# Allegro board BeagleBone-AI.brd (continued)
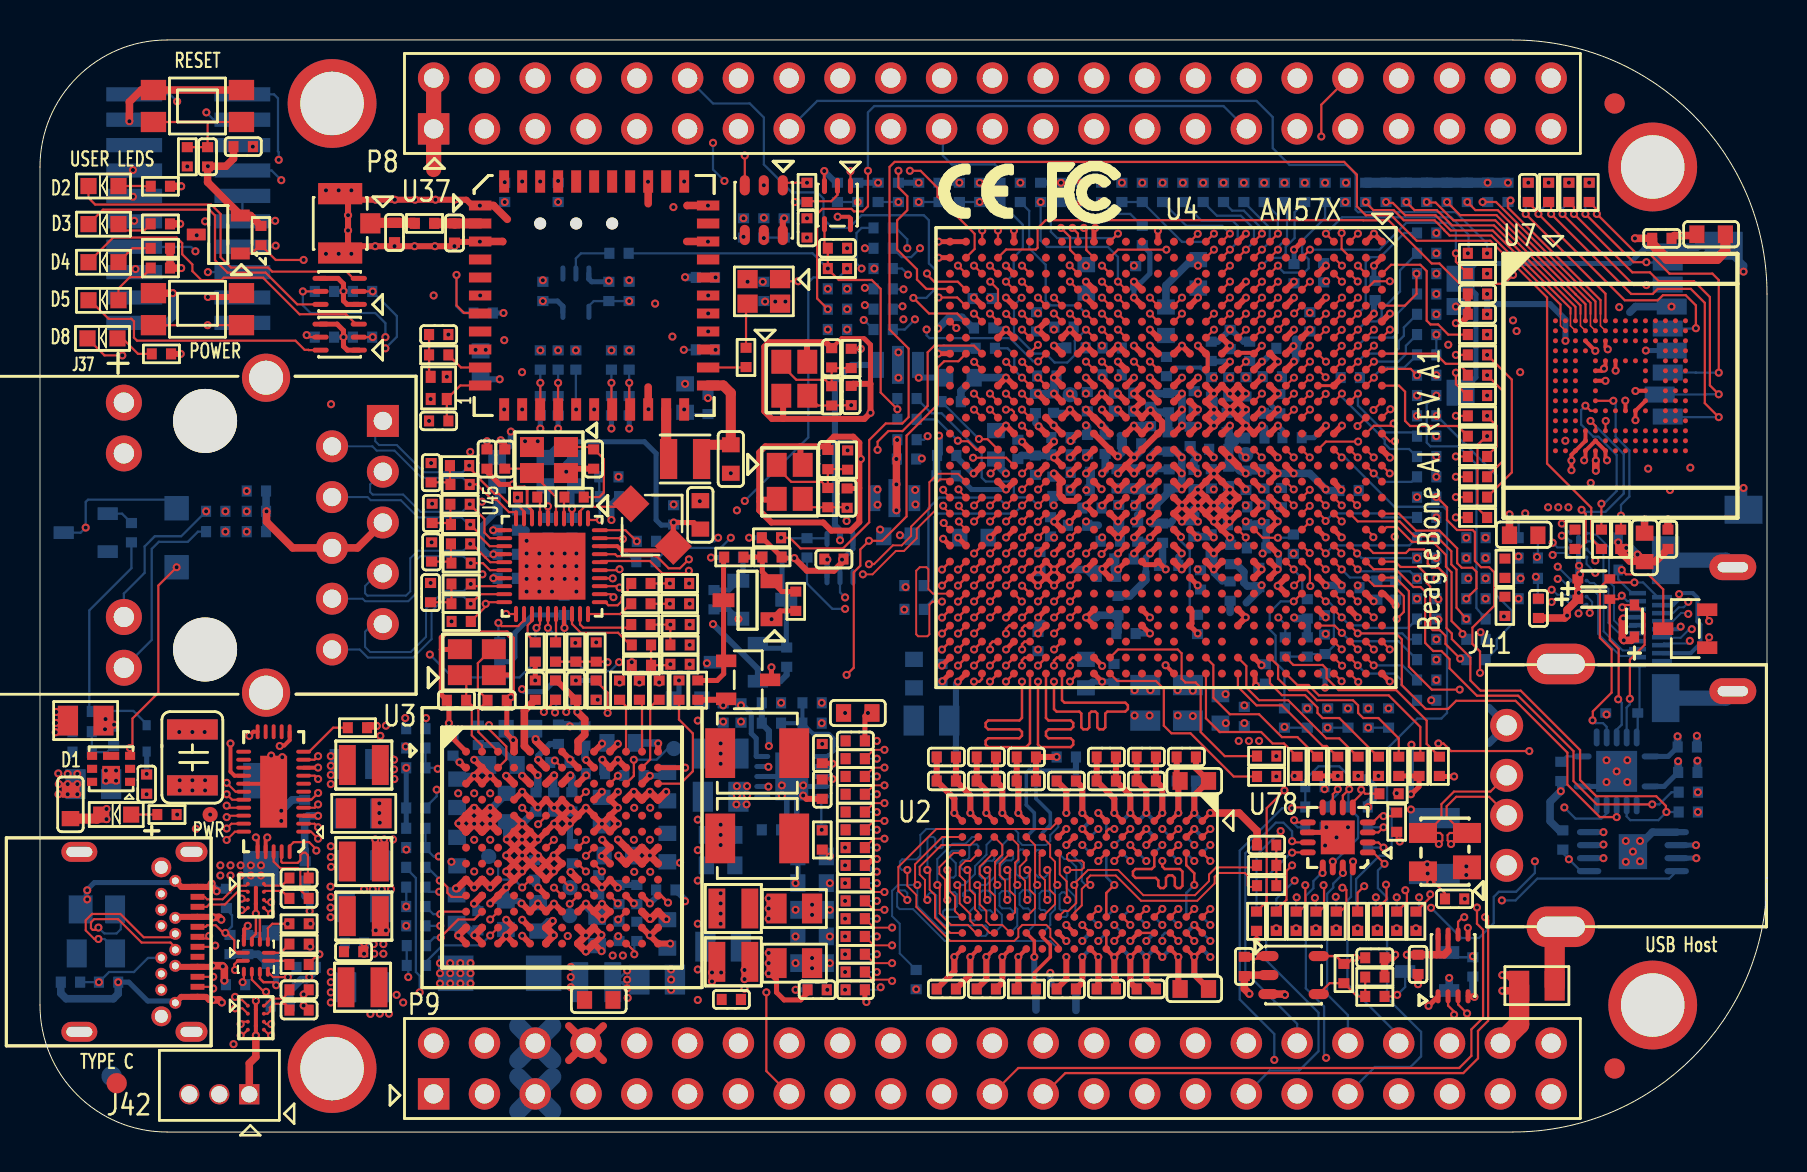
[diagram p0: board, top side]
## Routing (per net, layer and track width the routed paths; a pad name or vN(x,y) marks a point on that pad's centre or on a via; arc(x,y) is an arc through that point) (continued)
  BOTTOM w0.1: v1(50.37,11.6) 50.37,11.6 50.51,11.74 50.51,11.97 50.42,12.06 50.11,12.06 49.98,11.93 49.98,11.17 50.06,11.1 50.24,11.1 50.29,11.04 50.29,10.84 50.21,10.75 U11.L3 ; R143.1 v1(41.85,8)
DDR_VREF_IN: length 5.3
  BOTTOM w0.203: R2.1 R1.1 ; R1.1 38.66,19.91 39.45,19.91 39.67,19.69 39.67,19.05 39.47,18.85 39.42,18.85 39.35,18.78 U1.1 ; R1.1 C1.1
DDR_VREFSTL: length 21.6
  TOP w0.178: U2.M8 49.72,9.55 v1(49.72,8.75)
  TOP w0.203: U2.H1 v1(52.12,15.95) ; v1(51.49,30.51) U4.Y18
  TOP w0.254: U4.N22 v1(57.89,27.34)
  TOP w0.305: C35.1 52.12,7.47 v1(52.12,8.75) ; v1(52.12,15.95) 52.12,17.24 C20.1
  BOTTOM w0.178: 49.46,18.08 49.32,17.95 49.32,16.36 49.72,15.95 49.72,15.15 U11.M8
  BOTTOM w0.203: 49.46,18.08 51.73,18.08 51.8,18.16 ; U11.H1 v1(52.12,8.75)
  BOTTOM w0.305: v1(52.12,15.95) 52.12,17.24 C20.1 C99.2 ; C144.1 49.72,7.24 v1(49.72,8.75) ; v1(52.12,8.75) 52.12,7.47 C35.1
  BOTTOM w0.381: C144.1 49.8,6.1 ; C35.1 51.8,6.08
  vias: v1(59.94,19.56) v1(60.45,19.56) v1(60.96,19.56)
DIR: length 18.8
  TOP w0.114: v1(13.82,14.07) 13.82,14.14 13.46,14.49 12.68,14.49 12.48,14.29 U72.32 ; v1(13.91,18.8) 13.73,18.62 U72.10 ; v1(11.3,7.01) 11.2,7.01 10.6,7.62 U22.4
  INT_L3 w0.102: v1(13.82,14.07) 13.82,13.96 12.98,13.12 12.98,7.42 12.47,6.91 11.4,6.91 v1(11.3,7.01)
  SIG_L5 w0.102: v1(13.82,14.07) 13.82,14.14 13.51,14.44 13.51,18.4 v1(13.91,18.8)
  BOTTOM w0.114: R541.1 11.53,6.78 v1(11.3,7.01)
E6_EHRPWM2A: length 27.9
  TOP w0.114: U4.E6 v1(64.3,40.93)
  SIG_L8 w0.102: v1(64.3,40.93) 64.03,41.19 64.03,41.43 63.12,42.34 63.12,43.15 62.29,43.98 62.29,45.47 61.68,46.08 54.13,46.08 53.34,46.86 48.83,46.86 48.45,47.24 48.45,47.71 47.37,48.79 44.29,48.79 42.92,50.16 P8.19
E7_LCD_DATA7: length 17.3
  TOP w0.114: U4.E7 v1(64.3,40.13)
  INT_L3 w0.102: P8.40 66.8,51.56 66.8,48.82 67.67,47.96 67.67,45.81 67.89,45.58 67.89,40.74 67.69,40.54 64.72,40.54 v1(64.3,40.13)
E8_VOUT1_D8: length 8.5
  TOP w0.114: U4.E8 v1(64.3,38.52)
  SIG_L5 w0.102: v1(64.3,38.52) 64.26,38.48 64.26,38.28 63.88,37.9 63.88,36.7 64.44,36.14 65.81,36.14 66.45,36.78 68,36.78 68.86,35.92 v1(68.86,35.81)
E9_LCD_DATA4: length 17.2
  TOP w0.114: U4.E9 v1(64.29,37.74)
  INT_L3 w0.102: P8.41 69.72,49.4 69.72,46.1 69.19,45.57 69.19,39.88 67.46,38.15 64.69,38.15 v1(64.29,37.74)
E11_VOUT1_VSYNC: length 10.5
  TOP w0.114: U4.E11 v1(64.29,36.92) ; R666.1 v1(70.8,32.77)
  SIG_L8 w0.102: v1(64.29,36.92) 64.7,36.51 67.82,36.51 68.28,36.06 68.28,35.76 68.86,35.18 69.98,35.18 70.33,34.82 70.33,33.24 v1(70.8,32.77)
E14_GPIO4_18: length 35.6
  TOP w0.114: v1(69.52,11.89) 69.47,11.84 69.47,11.68 R577.1 ; U4.E14 64.31,34.53 v1(65.91,34.53)
  SIG_L8 w0.102: v1(65.91,34.53) 65.91,34.49 66.29,34.11 66.29,29.46 66.52,29.24 67.82,29.24 68.45,29.87 69.95,29.87 70.89,28.93 70.89,28.6 71.15,28.35 72.8,28.35 73.18,27.97 73.18,26.87 73.69,26.37 73.69,25.53 72.38,24.22 72.38,22.09 71.3,21.01 71.3,19.08 70.31,18.08 70.31,15.88 68.58,14.15 68.58,12.8 69.49,11.89 v1(69.52,11.89)
E17_TIMER14: length 47.3
  TOP w0.114: U4.E17 v1(64.29,31.33)
  SIG_L8 w0.102: v1(64.29,31.33) 63.94,31.69 63.94,32.28 63.94,32.29 63.94,33.85 62.05,35.74 61.73,35.74 61.47,36 61.47,36.32 61.28,36.51 60.96,36.51 60.71,36.77 60.71,37.08 60.45,37.34 60.07,37.34 59.94,37.46 59.94,37.85 59.69,38.1 59.31,38.1 59.06,38.35 59.06,38.73 58.67,39.12 58.67,39.49 58.35,39.81 58.35,41.07 58.61,41.33 58.61,42.35 58.04,42.93 57.34,42.93 57.05,43.21 55.9,43.21 55.72,43.21 54.95,43.99 50.26,43.99 49.83,44.42 46.89,44.42 45.19,46.13 37.36,46.13 36.55,46.94 34.15,46.94 33.53,47.56 33.53,48.07 32.89,48.7 31.31,48.7 P8.9
E21_UART10_RXD: length 24.7
  TOP w0.114: U4.E21 v1(64.29,28.13) ; R652.1 65.02,11.02 65.33,11.33 65.33,12.1 65.21,12.22 v1(65.13,12.22)
  SIG_L10 w0.102: v1(65.13,12.22) 64.64,12.22 64.16,11.73 64.16,11.15 64.06,11.05 62.38,11.05 62.13,11.3 62.13,14.57 62.48,14.92 62.48,15.18 62.26,15.41 62.26,16.41 63.12,17.27 63.12,18.21 64.97,20.07 64.97,21.84 64.64,22.17 64.64,24.13 64.71,24.19 64.71,27.72 v1(64.29,28.13)
EMMC_RSTN: length 8.2
  TOP w0.114: R56.1 v1(78.08,31.42) ; v1(77.28,36.32) 77.53,36.07 U7.K5
  BOTTOM w0.114: v1(78.08,31.42) 78.21,31.42 78.84,32.05 78.84,33.86 77.93,34.77 77.67,34.77 77.06,35.38 77.06,36.11 v1(77.28,36.32)
F2_GPIO4_1: length 11
  TOP w0.114: v1(70.8,43.94) 70.8,43.52 R686.1 ; U4.F2 v1(63.5,44.13)
  BOTTOM w0.114: v1(63.5,44.13) 66.99,44.13 68.33,45.47 70.41,45.47 70.8,45.07 v1(70.8,43.94)
F4_UART10_RTSN: length 42.2
  TOP w0.114: U4.F4 v1(63.5,42.53)
  SIG_L10 w0.102: v1(63.75,11.71) 63.75,11.68 63.42,11.35 62.61,11.35 62.36,11.61 62.36,12.83 62.48,12.95 62.79,12.95 63.63,13.79 63.63,17.93 65.1,19.41 66.62,19.41 67.88,20.66 67.88,24.57 67.06,25.4 67.06,31.6 65.71,32.94 64.95,32.94 64.44,33.45 64.44,34.33 63.93,34.84 63.93,36.42 63.83,36.53 63.83,36.55 63.32,36.55 63.09,36.78 63.09,40.39 63.22,40.51 64.44,40.51 64.72,40.79 64.72,41.96 64.52,42.16 63.87,42.16 v1(63.5,42.53)
  BOTTOM w0.114: v1(63.75,11.71) 63.8,11.66 R635.1
F5_GPIO4_9: length 34.4
  TOP w0.114: U4.F5 v1(62.71,40.93)
  SIG_L8 w0.102: P8.18 38.73,51.43 38.73,49.21 39.31,48.64 43.69,48.64 44.04,48.29 45.82,48.29 46.36,47.75 46.36,46.42 46.93,45.85 53.59,45.85 53.87,45.57 60.22,45.57 60.71,45.08 60.71,44.01 60.96,43.75 61.21,43.75 61.47,43.5 61.47,42.42 61.72,42.16 62.04,42.16 62.29,41.91 62.29,41.34 62.7,40.93 v1(62.71,40.93)
F8_LCD_DATA6: length 15.7
  TOP w0.114: U4.F8 v1(63.5,39.33)
  INT_L3 w0.102: P8.39 67.95,46.04 68.14,45.85 68.14,40.02 67.81,39.69 63.87,39.69 v1(63.5,39.33)
F9_LCD_DATA5: length 19.8
  TOP w0.114: U4.F9 v1(63.5,38.53)
  INT_L3 w0.102: v1(63.5,38.53) 63.9,38.93 67.58,38.93 68.45,39.8 68.45,46.1 68.77,46.42 68.77,48.6 69.16,49 69.16,51.38 P8.42
F10_LCD_DATA2: length 20.4
  TOP w0.114: U4.F10 v1(63.5,37.73)
  INT_L3 w0.102: P8.43 71.7,48.84 70.56,48.84 69.98,48.26 69.98,45.82 69.44,45.29 69.44,39.52 67.26,37.34 63.89,37.34 63.5,37.72 v1(63.5,37.73)
F11_VOUT1_D0: length 11.7
  TOP w0.114: R662.1 v1(70.8,31.75) ; U4.F11 v1(63.49,36.92)
  SIG_L8 w0.102: v1(70.8,31.75) 70.42,32.13 69.42,32.13 69.09,32.46 69.09,34.11 68.21,34.99 66.74,34.99 65.99,35.74 64.4,35.74 63.49,36.65 v1(63.49,36.92)
F12_GPIO5_3: length 28.8
  TOP w0.114: U4.F12 v1(63.5,36.13) ; v1(62.61,13.34) 62.33,13.06 62.33,11.61 61.82,11.1 R633.1
  SIG_L10 w0.102: v1(63.5,36.13) 63.5,36.07 63.12,35.69 63.12,35.18 64.14,34.16 64.14,33.27 64.9,32.51 65.21,32.51 65.48,32.25 65.48,22.02 65.85,21.65 65.85,20.52 63.37,18.05 63.37,14.1 v1(62.61,13.34)
F14_TIMER12: length 49.6
  TOP w0.114: U4.F14 v1(63.49,33.73)
  SIG_L8 w0.102: v1(63.49,33.73) 62.88,34.35 62.04,34.35 61.55,34.84 61.55,35.48 61.28,35.75 60.95,35.75 60.71,35.99 60.71,36.23 60.42,36.51 60.13,36.51 59.86,36.79 59.86,37.1 59.65,37.31 59.4,37.31 59.12,37.59 59.12,37.85 58.86,38.1 58.61,38.1 58.26,38.45 58.26,39.47 58.05,39.68 58.05,41.28 58.26,41.5 58.26,41.87 58.05,42.08 57.68,42.08 56.77,42.99 55.81,42.99 55.63,42.99 54.88,43.74 50.05,43.74 49.72,44.07 46.89,44.07 45.39,45.57 40.28,45.57 39.98,45.26 37.08,45.26 36.8,45.54 36.8,46.15 36.27,46.69 34.02,46.69 33.27,47.43 33.27,47.94 32.77,48.45 29.78,48.45 28.58,49.66 28.58,51.43 P8.8
F20_UART10_TXD: length 42.7
  TOP w0.114: v1(63.49,28.95) 63.12,29.33 U4.F20
  SIG_L5 w0.102: P9.24 49.81,6.63 52.07,6.63 52.57,7.13 59.05,7.13 60.08,8.16 61.4,8.16 63.31,10.07 63.31,10.41 63.11,10.62 62.69,10.62 59.94,13.36 59.94,18.54 58.9,19.58 58.9,22.45 61.01,24.56 62.66,24.56 63.37,25.27 63.37,26.54 63.91,27.08 63.91,27.81 63.49,28.23 v1(63.49,28.95)
G6_GPIO4_0: length 15.3
  TOP w0.114: U4.G6 v1(61.91,40.13) ; R684.1 v1(70.8,33.78)
  SIG_L8 w0.102: v1(70.8,33.78) 71.17,34.15 71.17,36.12 71.04,36.25 68.53,36.25 67.44,37.34 64.14,37.34 63.91,37.57 63.91,37.88 63.63,38.16 63.31,38.16 63.12,38.35 63.12,38.67 62.88,38.91 62.46,38.91 62.29,39.08 62.29,39.43 61.91,39.81 v1(61.91,40.13)
G10_VOUT1_D1: length 14.9
  TOP w0.114: R664.1 v1(70.8,30.73) ; U4.G10 v1(62.7,37.73)
  SIG_L8 w0.102: v1(62.7,37.73) 63.09,37.34 63.63,37.34 63.88,37.08 63.88,36.64 64.52,36 66.23,36 66.67,35.56 67.12,35.56 67.35,35.79 67.84,35.79 69.47,34.16 69.47,32.58 69.66,32.38 70.93,32.38 71.18,32.13 71.18,31.12 v1(70.8,30.73)
G11_LCD_DATA3: length 25.6
  TOP w0.114: U4.G11 v1(62.7,36.93)
  INT_L3 w0.102: v1(62.7,36.93) 62.77,36.93 63.14,36.55 67.03,36.55 70.28,39.8 70.28,44.75 70.71,45.19 70.71,47.52 71.81,48.62 73.56,48.62 74.14,49.2 74.14,51.21 73.03,52.32 P8.44
G12_GPIO5_2: length 28.3
  TOP w0.114: v1(62.23,17.08) 61.34,16.19 61.34,11.53 R636.2 ; U4.G12 v1(62.7,36.13)
  SIG_L10 w0.102: v1(62.23,17.08) 62.23,19.18 62.89,19.84 62.89,22.12 63.53,22.76 63.53,26.75 63.88,27.1 63.88,30.67 64.14,30.92 64.45,30.92 64.71,31.18 64.71,32.32 63.88,33.15 63.88,33.91 62.7,35.09 v1(62.7,36.13)
G14_TIMER11: length 47.1
  TOP w0.114: U4.G14 v1(62.69,33.73)
  SIG_L8 w0.102: v1(62.69,33.73) 62.34,34.09 61.79,34.09 60.71,35.18 60.71,35.5 60.52,35.69 60.13,35.69 59.88,35.94 59.88,36.26 59.66,36.48 59.65,36.48 59.34,36.48 59.09,36.73 59.09,37.12 58.86,37.34 58.55,37.34 58.29,37.59 58.29,37.91 57.53,38.67 57.53,40.26 57.82,40.54 57.82,41.3 57.55,41.57 57.55,41.83 56.62,42.76 55.46,42.76 55.29,42.93 50.1,42.93 49.28,43.75 46.85,43.75 45.26,45.34 40.41,45.34 39.43,44.35 37.61,44.35 36.58,45.39 36.58,45.95 36.09,46.43 33.9,46.43 33.02,47.31 33.02,47.82 32.64,48.2 29.27,48.2 P8.7
G16_UART8_CTSN: length 14.5
  TOP w0.114: U4.G16 v1(62.69,32.13)
  INT_L3 w0.102: v1(71.32,28.7) 71.82,29.2 71.82,32.26 70.95,33.12 68.45,33.12 67.9,32.58 66.55,32.58 66.15,32.97 63.53,32.97 63.14,32.58 63.14,32.58 v1(62.69,32.13)
G17_SPI2_D0: length 22.6
  TOP w0.114: U4.G17 v1(62.69,31.33)
  SIG_L10 w0.102: v1(62.69,31.33) 63.12,30.91 63.12,22.83 62.59,22.3 62.59,20.1 61.34,18.86 61.34,17.27 61.98,16.64 61.98,15.11 v1(62.04,15.05)
  BOTTOM w0.114: R637.1 60.83,13.84 v1(62.04,15.05)
GPIO3_7: length 45.5
  TOP w0.114: U4.AH6 45.5,40.53 v1(45.82,40.21) ; Q18.1 10.58,43.93 11,44.35 R700.1 11.79,43.61 v1(13.18,43.61)
  SIG_L8 w0.102: v1(13.18,43.61) 13.41,43.38 21.59,43.38 22.78,44.58 22.78,47.78 23.24,48.23 25.81,48.23 27.64,46.41 28.88,46.41 31.62,43.66 34.09,43.66 34.77,42.98 34.77,41.2 35.41,40.56 40.51,40.56 41.05,40.03 43.56,40.03 43.84,39.75 45.36,39.75 v1(45.82,40.21)
GPIO3_14: length 32.3
  TOP w0.114: v1(16.64,39.75) T1.2 ; U4.AG3 v1(45.9,43.33)
  SIG_L5 w0.102: v1(16.64,39.75) 19.11,42.23 22.57,42.23 23.93,43.59 42.39,43.59 42.67,43.31 45.89,43.31 v1(45.9,43.33)
  BOTTOM w0.114: R387.1 v1(16.64,39.75)
GPIO3_15: length 43.6
  TOP w0.114: v1(44.94,41.73) 45.87,41.73 46.27,41.33 U4.AG5 ; v1(13.34,39.85) 13.44,39.75 T1.5
  SIG_L5 w0.102: v1(13.34,39.85) 13.8,40.32 16.64,40.32 18.8,42.48 22.42,42.48 23.75,43.81 44.26,43.81 44.54,44.09 45.19,44.09 45.47,43.81 47.55,43.81 47.88,43.48 47.88,43.17 47.88,43.16 47.88,42.35 47.69,42.16 45.37,42.16 v1(44.94,41.73)
  BOTTOM w0.114: v1(13.34,39.85) 13.44,39.75 R389.1
GPIO3_17: length 40.2
  TOP w0.114: U4.AF6 v1(46.7,40.93) ; v1(13.14,42.04) T2.5
  SIG_L5 w0.102: v1(46.7,40.93) 46.67,40.96 44.58,40.96 43.9,40.28 42.88,40.28 41.44,41.72 38.16,41.72 36.75,43.13 24.31,43.13 22.61,41.43 18.95,41.43 v1(17.27,39.75)
  BOTTOM w0.114: R392.1 v1(13.14,42.04) 13.14,41.34 13.53,40.96 16.76,40.96 17.27,40.45 v1(17.27,39.75)
GPIO3_18: length 30.3
  TOP w0.114: U4.AF3 v1(46.7,43.33)
  INT_L3 w0.102: v1(23.21,36.13) 23.66,35.69 25.65,35.69 27.56,37.59 27.56,41.02 28.98,42.44 28.98,42.82 29.84,43.69 44.2,43.69 45.03,42.85 46.23,42.85 v1(46.7,43.33)
GPIO3_20: length 33.3
  TOP w0.114: v1(20.83,42.86) 20.83,41.34 21.21,40.96 21.99,40.96 U37.7 ; v1(47.12,45.08) 47.12,44.54 U4.AF1
  SIG_L5 w0.102: v1(47.12,45.08) 46.74,45.08 46.67,45.15 41.01,45.15 40.69,44.83 40.26,44.83 39.55,44.12 23.65,44.12 22.39,42.86 v1(20.83,42.86)
  BOTTOM w0.114: R338.2 21.65,40.98 21.13,40.98 20.83,41.29 v1(20.83,42.86)
GPIO3_21: length 27.4
  TOP w0.114: U4.AE3 v1(47.5,43.33)
  SIG_L5 w0.102: v1(47.5,43.33) 46.7,42.52 41.91,42.52 41.63,42.8 38.23,42.8 37.67,43.36 24.1,43.36 22.58,41.83 v1(22.01,41.83)
GPIO3_22: length 20.5
  TOP w0.114: v1(47.52,42.52) 47.9,42.14 U4.AE5
  SIG_L8 w0.102: v1(47.52,42.52) 46.1,42.52 45.47,43.15 45.47,43.89 45.26,44.09 44.68,44.09 44.35,43.76 36.58,43.76 35.74,44.6 35.74,45.01 35.48,45.27 34.69,45.27 34.26,45.69 32.73,45.69 32.21,46.21 v1(32.21,47.53)
GPIO3_23: length 30.8
  TOP w0.114: U4.AE1 v1(47.9,45.08)
  INT_L3 w0.102: v1(24.11,36.13) 25.47,36.13 27.18,37.85 27.18,42.04 29.15,44.01 38.54,44.01 39.45,44.91 46.09,44.91 46.42,44.58 47.4,44.58 v1(47.9,45.08)
GPIO4_3: length 45.3
  SIG_L10 w0.102: v1(72.36,39.88) 71.95,40.3 71.95,43.52 v1(72.36,43.94)
  BOTTOM w0.114: v1(72.36,43.94) 72.36,44.42 70.79,46 65.91,46 65.79,46.13 65.79,47.93 65.76,47.93 65.33,48.36 62.48,48.36 61.65,49.2 61.65,50.75 60.83,51.56 38.86,51.56 P8.15
GPIO4_18: length 6.4
  SIG_L5 w0.102: P9.42 70.08,4.85 70.08,8.92 v1(68.81,10.19)
GPIO5_18: length 56.3
  TOP w0.114: U4.V2 53.9,44.13 v1(56.32,44.13)
  SIG_L8 w0.102: v1(76.45,13.64) 76.83,14.02 76.83,20.45 78.46,22.07 78.46,29.16 76.81,30.81 75.82,30.81 75.11,30.1 73.15,30.1 72.8,30.45 71.73,30.45 71.5,30.68 71.5,36.2 71.22,36.47 68.68,36.47 68.2,36.96 68.2,37.78 67.82,38.16 64.14,38.16 63.94,38.35 63.94,38.67 63.69,38.93 63.37,38.93 63.12,39.18 63.12,39.5 62.86,39.75 62.55,39.75 62.29,40 62.29,40.29 62.07,40.52 60.96,40.52 60.71,40.77 60.71,43.18 60.21,43.68 59.26,43.68 59.06,43.88 59.06,44.27 58.85,44.48 56.68,44.48 v1(56.32,44.13)
  BOTTOM w0.114: R516.1 76.15,13.94 v1(76.45,13.64) 77.05,13.05 U48.5
GPIO5_19: length 68.7
  TOP w0.114: U4.Y1 51.9,44.93 v1(51.63,45.21) ; R475.1 22.29,26.28 v1(22.29,26.42) 22.29,26.43 22.35,26.5 U45.20
  SIG_L5 w0.102: v1(22.29,26.42) 22.29,25.41 21.95,25.07 19.57,25.07 18.29,26.35 18.29,36.65 15.6,39.34 13.21,39.34 12.7,39.85 12.7,42.21 13.74,43.26 22.4,43.26 23.6,44.45 30.23,44.45 31.09,45.31 40.54,45.31 40.82,45.59 51.24,45.59 v1(51.63,45.21)
GPIO_0: length 3.9
  TOP w0.114: U3.B12 30.51,18.63 30.51,21.24 30.85,21.58 31,21.58 R19.2
GPIO_1: length 5.9
  TOP w0.114: R18.2 31.95,20.62 32.65,19.93 32.65,18.04 32.03,17.42 U3.C13
GPIO_2: length 2.6
  TOP w0.114: R20.2 30.11,21.48 U3.A12
GPIO_3: length 0.6
  TOP w0.12: U3.H9 v1(28.1,13.03)
GPIO_4: length 0.6
  TOP w0.12: U3.K10 v1(28.9,11.43)
GPIO_5: length 0.9
  TOP w0.12: U3.C10 v1(28.9,17.81)
  BOTTOM w0.381: v1(28.9,17.81) 28.91,17.83 R104.2
GPIO_6: length 1.4
  TOP w0.114: v1(29.72,8.89) 29.72,9.04 29.34,9.42 U3.N11
  BOTTOM w0.114: v1(29.72,8.89) 29.72,9.42 R103.2
GPIO_7: length 12.8
  TOP w0.12: v1(27.3,13.81) 27.33,13.84 27.33,13.85 U3.G9
  INT_L3 w0.102: v1(27.3,13.81) 26.89,14.22 21.51,14.22 20.27,15.47 20.27,17.78 v1(19.89,18.16)
  BOTTOM w0.114: R156.2 R155.2 19.84,18.21 v1(19.89,18.16)
GPMC_AD0: length 33.6
  TOP w0.114: U4.M6 v1(58.7,40.92)
  SIG_L10 w0.102: v1(40.89,46.51) 41.02,46.63 41.02,48.26 41.34,48.58 60.01,48.58 60.71,47.88 60.71,47.05 61.47,46.29 61.47,41.58 61.21,41.33 60.96,41.33 60.71,41.07 60.71,40.79 60.43,40.51 59.12,40.51 58.71,40.92 v1(58.7,40.92)
  BOTTOM w0.114: R596.1 v1(40.89,46.51)
GPMC_AD1: length 10
  TOP w0.114: U4.M2 v1(58.7,44.13)
  SIG_L10 w0.102: v1(58.7,44.13) 58.53,44.3 58.35,44.48 58.35,45.03 57.01,46.37 53.23,46.37 v1(53.09,46.51)
  BOTTOM w0.114: R689.2 54.52,45.91 53.68,45.91 v1(53.09,46.51)
GPMC_AD2: length 22
  TOP w0.114: U4.L5 v1(59.5,41.73)
  SIG_L10 w0.102: v1(43.94,46.51) 46.1,46.51 46.48,46.89 56.97,46.89 58.46,45.4 59.58,45.4 59.92,45.06 59.92,42.14 v1(59.5,41.73)
  BOTTOM w0.114: v1(43.94,46.51) R693.2
GPMC_AD3: length 6.2
  TOP w0.114: U4.M1 v1(58.7,44.93)
  BOTTOM w0.114: R38.2 R493.1 57.11,44.51 58.29,44.51 v1(58.7,44.93)
GPMC_AD4: length 27.2
  TOP w0.114: U4.L6 v1(59.5,40.92)
  SIG_L10 w0.102: v1(42.93,46.51) 43.46,47.04 44.63,47.04 45.59,48.01 59.44,48.01 59.69,47.75 59.69,46.99 60.71,45.97 60.71,41.55 60.49,41.34 59.92,41.34 v1(59.5,40.92)
  BOTTOM w0.114: R164.2 v1(42.93,46.51)
GPMC_AD5: length 16.1
  TOP w0.114: U4.L4 v1(59.5,42.53)
  SIG_L10 w0.102: v1(46.99,46.51) 49.25,46.51 49.66,46.1 50.61,46.1 51.02,46.51 51.47,46.51 51.88,46.1 52.51,46.1 52.77,45.85 56.07,45.85 58.63,43.29 59.12,42.8 59.23,42.8 v1(59.5,42.53)
  BOTTOM w0.114: R162.2 v1(46.99,46.51)
GPMC_AD6: length 9.3
  TOP w0.114: U4.L3 v1(59.5,43.33)
  SIG_L10 w0.102: v1(52.07,46.51) 52.1,46.48 52.51,46.48 52.9,46.1 56.14,46.1 56.36,45.88 58.92,43.33 v1(59.5,43.33)
GPMC_AD7: length 5.2
  TOP w0.114: U4.L2 v1(59.5,44.13)
  BOTTOM w0.114: v1(59.5,44.13) 59.89,44.51 59.89,45.31 59.64,45.57 58.09,45.57 R600.1
GPMC_AD8: length 4.6
  TOP w0.114: U4.L1 v1(59.5,44.93)
  BOTTOM w0.114: v1(59.5,44.93) 59.12,45.31 57.33,45.31 R44.2
GPMC_AD9: length 4.9
  TOP w0.114: U4.K2 v1(60.3,44.13)
  BOTTOM w0.114: R601.1 58.85,45.82 60.05,45.82 60.71,45.16 60.71,44.53 v1(60.3,44.13)
GPMC_AD10: length 3.3
  TOP w0.114: U4.J1 v1(61.1,44.93)
  BOTTOM w0.114: R602.1 59.61,46.08 60.2,46.08 61.09,45.19 61.09,44.94 v1(61.1,44.93)
GPMC_AD11: length 3.6
  TOP w0.114: U4.J2 v1(61.1,44.13)
  BOTTOM w0.114: v1(61.1,44.13) 61.49,44.51 61.49,45.21 R603.1
GPMC_AD12: length 2.4
  TOP w0.114: U4.H1 v1(61.9,44.93)
  BOTTOM w0.114: R604.1 61.9,45.82 61.9,44.93 v1(61.9,44.93)
GPMC_AD13: length 5
  TOP w0.114: U4.J3 v1(61.1,43.33)
  BOTTOM w0.114: v1(61.11,43.33) 61.49,43.71 62.08,43.71 62.29,43.93 62.29,44.26 62.74,44.7 62.74,46 R605.1
GPMC_AD14: length 3.2
  TOP w0.114: U4.H2 v1(61.9,44.13)
  BOTTOM w0.114: v1(61.9,44.13) 61.9,44.25 62.36,44.7 62.36,46.38 R606.1
GPMC_AD15: length 6.3
  TOP w0.114: U4.H3 v1(61.9,43.33)
  BOTTOM w0.114: v1(61.9,43.33) 61.9,43.28 62.2,42.98 63.22,42.98 63.44,43.19 63.44,43.65 63.12,43.96 63.12,44.57 64.26,45.72 R168.2
H5V: length 6.3
  TOP w0.114: Q19.3 81.17,27.13 80.42,27.89 79.31,27.89 v1(79.1,28.11)
  BOTTOM w0.114: J91.19 79.61,26.95 78.92,27.64 D23.2 v1(79.1,28.11)
HDMI_CEC: length 8.7
  TOP w0.114: v1(79.12,26.24) 79.24,26.35 D25.2 79.79,26.35 80.24,25.91 80.24,24.36 79.5,23.62 v1(79.5,21.67)
  BOTTOM w0.114: v1(79.12,26.24) 79.17,26.24 79.26,26.15 J91.15 ; v1(79.5,21.67) 79.5,21.39 79.34,21.23 U12.12
HDMI_CKN: length 8.6
  SIG_L5 w0.094: v1(77.77,28.57) 77.9,28.45 78.23,28.45 78.56,28.78 79.43,28.78 80.54,27.66 80.54,27.15 81.43,26.26 82.22,26.26 82.42,26.47 v1(82.42,26.52)
  BOTTOM w0.102: U91.A3 77.78,28.69 77.78,28.57 v1(77.77,28.57) ; J91.14 81.12,25.96 81.67,25.96 81.95,26.24 82.19,26.24 82.42,26.47 v1(82.42,26.52)
HDMI_CKP: length 8.7
  SIG_L5 w0.094: v1(82.42,25.91) 82.35,25.91 82.3,25.96 81.31,25.96 80.24,27.03 80.24,27.53 79.3,28.47 78.69,28.47 78.36,28.14 77.95,28.14 v1(77.77,27.97)
  BOTTOM w0.102: J91.12 81.65,25.55 82.07,25.96 82.37,25.96 v1(82.42,25.91) ; U91.A4 77.34,28.4 v1(77.77,27.97)
HDMI_CLKN: length 93
  TOP w0.102: v1(41.45,28.4) 41.71,28.4 42.65,29.34 43.09,29.34 43.56,29.81 43.56,30.28 44.48,31.19 44.48,32.5 44.89,32.92 45.91,32.92 U4.AG16
  INT_L3 w0.102: v1(41.45,28.4) 41.11,28.4 40.72,28.01 40.72,24.46 38.13,21.87 38.13,18.34 38.68,17.78 38.68,15.98 37.03,14.33 37.03,6.91 37.74,6.2 39.6,6.2 40.44,5.36 43.81,5.36 44.45,5.99 59,5.99 60.71,7.7 68.1,7.7 70.18,9.78 70.18,13.49 69.49,14.18 69.49,19.61 71.63,21.74 71.63,23.34 74.15,25.86 75.85,25.86 76.56,26.57 76.56,28.91 76.2,29.26 75.85,29.26 v1(75.64,29.47)
  BOTTOM w0.102: v1(75.64,29.47) 75.87,29.24 76.44,29.24 U91.C3
HDMI_CLKP: length 90.6
  TOP w0.102: U4.AH16 45.62,32.64 45.01,32.64 44.75,32.38 44.75,31.08 43.84,30.16 43.84,29.69 43.21,29.06 42.8,29.06 41.63,27.89 v1(41.15,27.89)
  INT_L3 w0.102: v1(41.15,27.89) 41.07,27.89 40.97,27.79 40.97,24.36 38.38,21.77 38.38,18.44 38.94,17.89 38.94,15.88 37.29,14.22 37.29,7.01 37.85,6.45 39.7,6.45 40.54,5.61 43.71,5.61 44.34,6.25 58.9,6.25 60.6,7.95 67.99,7.95 69.93,9.88 69.93,13.39 69.24,14.07 69.24,19.71 71.37,21.85 71.37,23.44 74.04,26.11 75.74,26.11 76.3,26.67 76.3,28.8 76.1,29.01 75.79,29.01 v1(75.64,28.86)
  BOTTOM w0.102: v1(75.64,28.86) 75.74,28.96 76.32,28.96 U91.C4
HDMI_DATA0N: length 101.5
  TOP w0.102: U4.AG17 45.93,32.1 v1(45.93,32.14)
  INT_L3 w0.102: v1(76.1,30.43) 76.28,30.25 77.34,30.25 78.41,29.18 78.41,25.96 77.62,25.17 74.35,25.17 72.95,23.77 72.95,21.89 71.5,20.45 71.5,14.12 70.84,13.46 70.84,9.32 69.75,8.23 69.75,7.26 68.48,5.99 59.92,5.99 59.18,5.26 44.63,5.26 43.85,4.48 43.85,4.03 43.21,3.38 39.52,3.38 38.61,4.29 38.61,5.03 38.12,5.51 36.83,5.51 35.66,6.68 35.66,14.08 37.49,15.9 37.49,22.25 39.57,24.34 39.57,27.56 41.1,29.08 41.86,29.08 42.39,29.62 42.39,30.12 42.85,30.58 43.55,30.58 44.37,31.41 44.37,32.34 44.78,32.74 45.44,32.74 45.67,32.51 45.67,32.22 45.75,32.14 v1(45.93,32.14)
  BOTTOM w0.102: U91.C1 76.53,29.94 76.1,30.37 v1(76.1,30.43)
HDMI_DATA0P: length 99.3
  TOP w0.102: v1(45.16,32.12) 45.16,32.07 U4.AH17
  INT_L3 w0.102: v1(76.1,29.82) 76.28,30 77.24,30 78.16,29.08 78.16,26.06 77.52,25.43 74.24,25.43 72.69,23.88 72.69,22 71.25,20.55 71.25,14.22 70.59,13.56 70.59,9.43 69.49,8.33 69.49,7.37 68.37,6.25 59.81,6.25 59.08,5.51 44.52,5.51 43.6,4.59 43.6,4.13 43.1,3.63 39.62,3.63 38.86,4.39 38.86,5.13 38.23,5.77 36.93,5.77 35.92,6.78 35.92,13.97 37.74,15.8 37.74,22.15 39.83,24.23 39.83,27.45 41.2,28.83 41.96,28.83 42.65,29.51 42.65,30.02 42.96,30.33 43.65,30.33 44.63,31.3 44.63,32.23 44.88,32.49 45.34,32.49 45.41,32.41 45.41,32.22 45.32,32.11 45.17,32.11 v1(45.16,32.12)
  BOTTOM w0.102: v1(76.1,29.82) 76.25,29.82 U91.C2
HDMI_DATA1N: length 80.5
  TOP w0.102: v1(45.95,31.32) 45.95,31.28 U4.AG18
  INT_L3 w0.102: v1(75.59,27.12) 75.59,27.05 75.49,26.95 74.6,26.95 74.24,27.3 73.58,27.3 72.56,26.29 70.86,26.29 70.33,25.76 70.33,21.82 68.98,20.47 68.73,20.47 66.7,18.44 61.57,18.44 61.19,18.06 61.19,11.3 60.07,10.19 60.07,8.36 58.64,6.93 44.2,6.93 43.4,6.14 41.08,6.14 40.87,6.35 40.87,14.66 40.46,15.07 40.46,19.81 41,20.34 41,22.28 41.68,22.96 41.68,27.52 45.07,30.91 45.54,30.91 v1(45.95,31.32)
  BOTTOM w0.102: U92.C3 76.53,26.77 76.44,26.87 75.87,26.87 75.63,27.12 v1(75.59,27.12)
HDMI_DATA1P: length 80.4
  TOP w0.102: v1(45.16,31.32) 45.16,31.27 U4.AH18
  INT_L3 w0.102: v1(45.16,31.32) 45.16,31.27 45.06,31.17 44.96,31.17 41.43,27.63 41.43,23.07 40.74,22.38 40.74,20.45 40.21,19.91 40.21,14.96 40.61,14.55 40.61,6.24 40.98,5.88 43.5,5.88 44.3,6.68 58.75,6.68 60.33,8.26 60.33,10.08 61.44,11.2 61.44,17.95 61.67,18.19 66.8,18.19 68.83,20.22 69.09,20.22 70.59,21.72 70.59,25.65 70.97,26.04 72.67,26.04 73.69,27.05 74.14,27.05 74.49,26.7 75.44,26.7 75.59,26.54 v1(75.59,26.51)
  BOTTOM w0.102: v1(75.59,26.51) 75.66,26.51 75.74,26.59 76.32,26.59 U92.C4
HDMI_DATA2N: length 78.7
  TOP w0.102: v1(45.95,30.53) 45.95,30.48 U4.AG19
  INT_L3 w0.102: v1(45.95,30.53) 45.49,30.07 45.03,30.07 42.32,27.36 42.32,20.57 41.45,19.71 41.45,7.32 41.88,6.88 42.49,6.88 43.43,7.82 44.78,7.82 45.01,7.59 58.26,7.59 59.28,8.61 59.28,10.57 60.45,11.74 60.45,18.39 61.54,19.48 66.67,19.48 68.76,21.57 68.76,25.76 69.29,26.29 69.29,26.95 69.62,27.28 72.51,27.28 73.61,28.38 75.15,28.38 75.46,28.07 75.69,28.07 v1(75.9,28.27)
  BOTTOM w0.102: v1(75.9,28.27) 76.54,27.63 U92.C1
HDMI_DATA2P: length 78.4
  TOP w0.102: U4.AH19 45.29,30.34 45.29,30.35 45.19,30.45 45.19,30.46 v1(45.19,30.46)
  INT_L3 w0.102: v1(75.9,27.66) 75.74,27.81 75.36,27.81 75.05,28.12 73.72,28.12 72.62,27.03 69.72,27.03 69.55,26.85 69.55,26.18 69.01,25.65 69.01,21.46 66.78,19.23 61.65,19.23 60.71,18.29 60.71,11.63 59.54,10.46 59.54,8.51 58.37,7.34 44.9,7.34 44.67,7.57 43.54,7.57 42.6,6.63 41.78,6.63 41.2,7.21 41.2,19.81 42.06,20.68 42.06,27.46 44.93,30.33 45.09,30.33 45.19,30.43 v1(45.19,30.46)
  BOTTOM w0.102: v1(75.9,27.66) 76.05,27.66 U92.C2
HDMI_DDC_CEC: length 27.8
  TOP w0.114: U4.B20 66.67,28.96 68.3,28.96 68.48,29.13 69.22,29.13 69.39,28.96 69.39,28.42 69.6,28.22 69.93,28.22 70.33,27.81 70.33,25.2 70.6,24.93 70.6,24.65 71.53,23.72 71.53,22.58 72.03,22.07 74.04,22.07 77.01,19.1 77.01,17.6 77.83,16.79 80.82,16.79 81.31,16.31 81.31,16.03 v1(81.33,16)
  BOTTOM w0.114: R409.2 v1(81.33,16) 80.92,15.6 79.53,15.6 79.34,15.78 U12.3
HDMI_DDC_HPD: length 24.4
  TOP w0.114: U4.B21 66.69,28.14 67.79,28.14 68.68,27.25 69.04,27.25 69.27,27.03 69.27,24.46 69.67,24.05 70.08,24.05 70.48,23.65 70.48,23.19 71.86,21.82 73.91,21.82 76.68,19.05 76.68,17.55 77.85,16.38 v1(80.62,16.38)
  BOTTOM w0.114: U12.2 79.89,16.38 v1(80.62,16.38) 80.98,16.38 81.58,16.99 R705.2
HDMI_DDC_SCL: length 23.6
  TOP w0.114: v1(78.84,15.75) 78,15.75 76.38,17.37 76.38,18.97 73.79,21.56 70.82,21.56 70.41,21.16 69.29,21.16 68.1,22.35 68.1,24.64 67.8,24.93 v1(65.89,24.93) U4.C25
  BOTTOM w0.114: v1(65.89,24.93) 68.12,24.93 68.42,24.64 R530.2 ; v1(78.84,15.75) U12.4
HDMI_DDC_SDA: length 33.8
  TOP w0.114: U4.F17 v1(63.49,32.12)
  INT_L3 w0.102: v1(71.32,29.72) 71.44,29.83 71.44,32 71.03,32.41 68.22,32.41 68.14,32.32 66.41,32.32 66.18,32.55 63.93,32.55 v1(63.49,32.12)
  SIG_L8 w0.102: v1(71.32,29.72) 71.4,29.74 71.81,30.15 72.64,30.15 73.13,29.67 74.5,29.67 75.26,28.91 75.26,28.24 75.41,28.09 75.41,27.47 75.16,27.22 75.16,25.63 73.36,23.83 73.36,22.23 76.56,19.02 76.56,16.56 v1(76.23,16.23)
  BOTTOM w0.114: U12.5 78.34,15.93 78.08,15.67 76.78,15.67 v1(76.23,16.23)
